# Altium PCB 09-蜂鸣器模块-电路板图.PcbDoc
Units mm, origin at the board's own origin, x right, y up, seen from the top; angles counter-clockwise.
Board outline 36.3 x 36.3 mm, 2 copper layers (Top Layer, Bottom Layer); 4 components, 5 nets, 22 pads, 0 vias.
Unrouted connection lines stored in the file: 1.
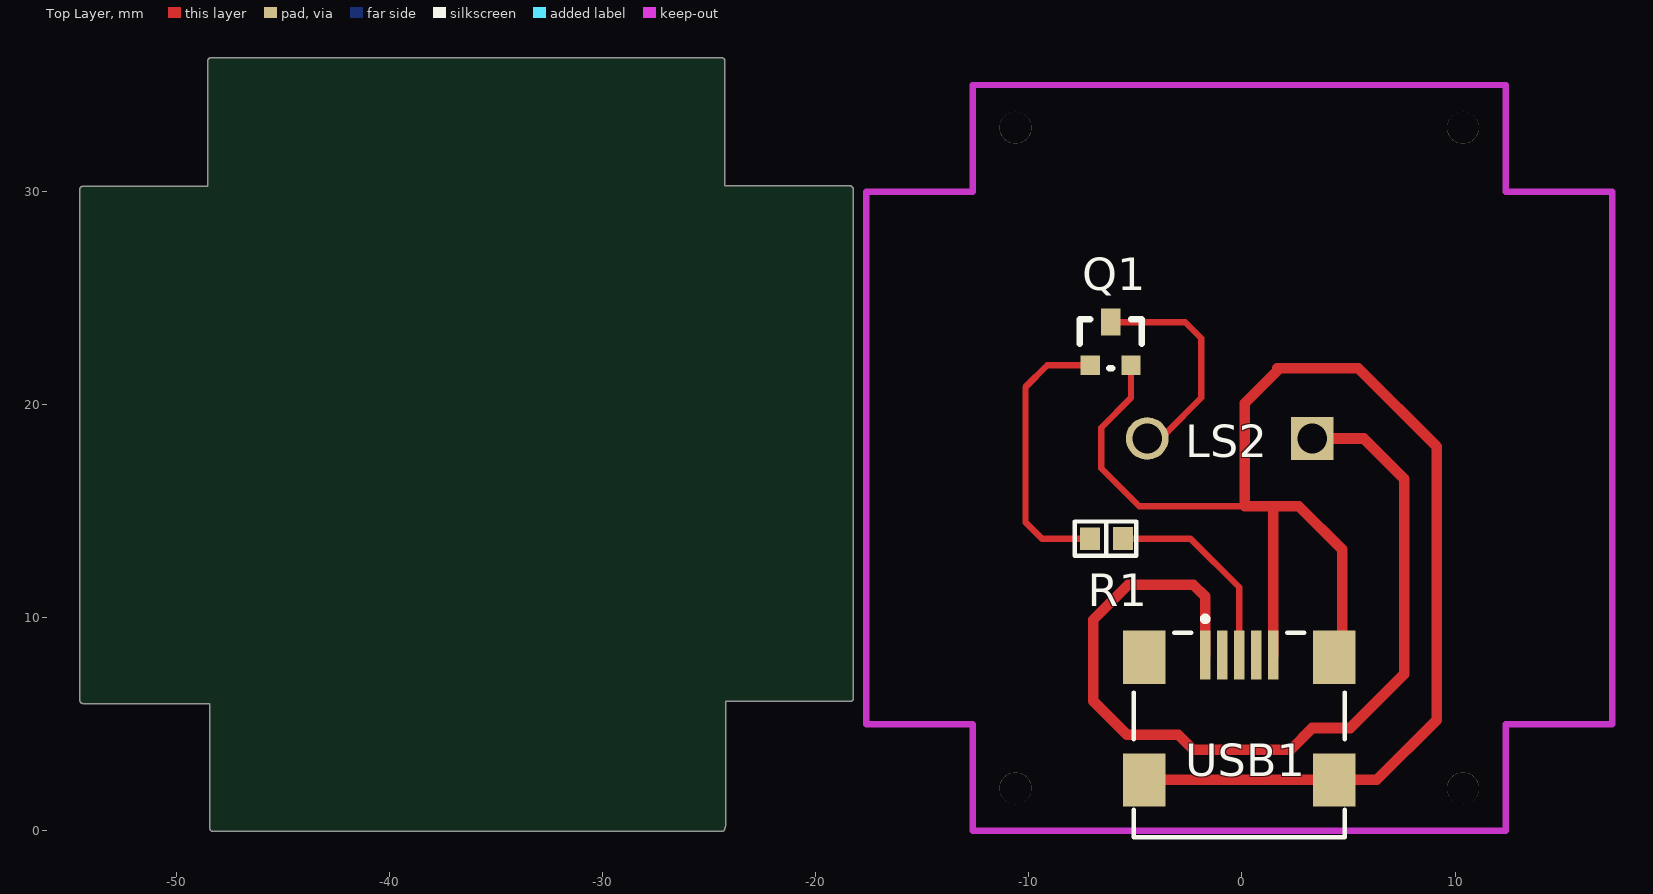
[diagram p0: Top Layer view]
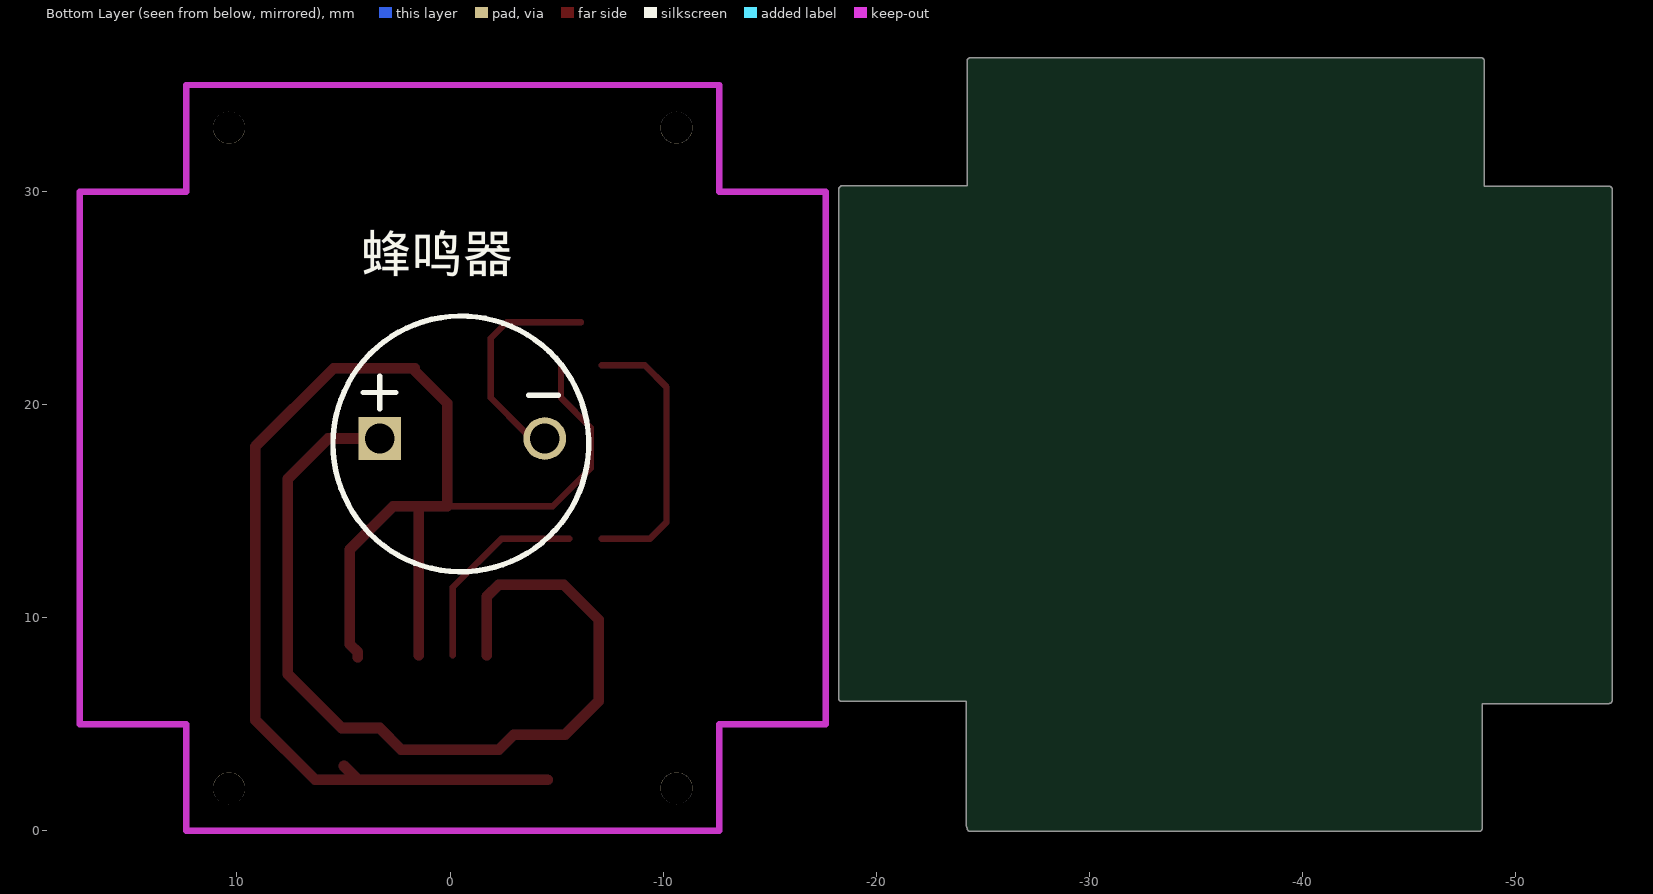
[diagram p1: Bottom Layer view, seen from below]

## Layer stack, top to bottom
Top Layer: signal copper 0.0356
Dielectric: dielectric 0.32, FR-4, Dk 4.8
Bottom Layer: signal copper 0.0356

## Board outline
-48.438,0.127 -48.438,5.977 -54.384,5.977 cw(c-54.384,6.127) -54.534,6.127 -54.534,30.099 cw(c-54.384,30.099) -54.384,30.249 -48.534,30.249 -48.534,36.096 cw(c-48.384,36.096) -48.534,36.111 cw(c-48.384,36.127) -48.384,36.277 -24.415,36.277 cw(c-24.415,36.127) -24.413,36.277 cw(c-24.412,36.127) -24.262,36.127 -24.262,30.277 -18.415,30.277 cw(c-18.415,30.127) -18.294,30.217 cw(c-18.384,30.096) -18.234,30.096 -18.234,6.223 cw(c-18.384,6.223) -18.384,6.073 -24.234,6.073 -24.234,0.226 cw(c-24.384,0.226) -24.262,0.138 cw(c-24.412,0.127) -24.262,0.127 cw(c-24.412,0.127) -24.412,-0.023 -48.288,-0.023 cw(c-48.288,0.127)

## Design rules (kind name [scope] priority, off if disabled: settings)
Clearance [All] p1: gap=0.254
PolygonConnect [All] p1: connectstyle=Relief reliefconductorwidth=0.254 reliefentries=4 polygonreliefangle="90 Angle"
RoutingVias [All] p1: holewidth=0.711 width=1.27 viastyle="Through Hole" minholewidth=0.711 minwidth=1.27 maxholewidth=0.711 maxwidth=1.27
SilkscreenOverComponentPads [All] p1: minsilkscreentomaskgap=0.254
SolderMaskExpansion [All] p1: expansion=0.102
TestPointUsage FabricationTestPointUsage [All] p1: valid=0 allowmultiple=FALSE
Testpoint FabricationTestpoint [All] p1: side=3 testpointundercomponent=TRUE minsize=1.016 maxsize=2.54 preferedsize=1.524 minholesize=0 maxholesize=1.016 preferedholesize=0.813 testpointgrid=0.025 style=297 order=0123456789
Width [All] p1: maxlimit=0.5 minlimit=0.3 preferedwidth=0.3
23 further rules are at their usual default settings.

## Components (designator, comment, footprint, x,y, rotation, side; value= is the part's Value field where it differs from the comment)
LS2 "Buzzer" ABSM-1574 4.826,18.161 r180 top (schematic designator LS1)
Q1 "2N3904" sot-23 -7.112,21.844 r0 top
R1 "Res2" r0603 -5.588,13.716 r180 top
USB1 "USB" USB/SM0.8-6H5 0,4.715 r270 top (schematic designator USB_1)

## Footprints (in the part's own frame and the unit in brackets; to place one, negate y for a bottom-side part, rotate by r counter-clockwise, add the part's x,y. Pads: shape width x height; smd on the part's side, far side on the other; paste and mask are expansions set on the pad)
ABSM-1574 [mm] "Magnetic Transducer Buzzer"
  rect 2x2 hole 1.4: 1(1.524,-0.254)
  round 2 hole 1.4: 2(9.271,-0.254)
r0603 [mil]
  rect 37x42 smd: 1(0,0) 2(60.5,0.5)
  silkscreen extent -25,-32 89,31
sot-23 [mil]
  rect 36x36 smd: 1(0,0) 2(75,0)
  rect 36x50 smd: 3(38,80)
  silkscreen extent -20,-5 95,85
USB/SM0.8-6H5 [mm]
  rect 2.3x0.5 smd: 1(-3.532,-1.727) 2(-3.532,-0.927) 3(-3.532,-0.127) 4(-3.532,0.673) 5(-3.532,1.473)
  rect 2.5x2 smd: 6(-3.432,4.323) 7(2.322,4.323) 8(-3.432,-4.577) 9(2.322,-4.577)
  round 0.6 hole 1.27 unplated: MH1(-0.932,2.073) MH2(-0.932,-2.327)
  silkscreen extent -5.36,-5.08 5.02,4.82

## Part data
LS2: "Magnetic Transducer Buzzer"
Q1: "NPN General Purpose Amplifier"
R1: "Resistor"
USB1: library part USB5

## Free pads (board coordinates)
  round 1.5 hole 1.5: 0(-10.627,2) 0(-10.627,33) 0(10.373,2) 0(10.373,33)

## Nets (pads, with @x,y where several pads share a name; then routed paths per layer and width w, separated by ;. In a path a pad name is that pad's centre, name@x,y a point inside that pad or via, vN(x,y) a via of type N, cw(c..) or ccw(c..) an arc to the next point about the centre after c; other vN are vias at no path point)
GND: Q1.2 USB1.5 USB1.6 USB1.7 USB1.8 USB1.9 | length 74.4
  Top Layer w0.3: Q1.2 -5.207,20.32 -6.604,18.923 -6.604,17.018 -4.826,15.24 0.127,15.24
  Top Layer w0.5: USB1.9 USB1.7 6.33,2.393 9.144,5.207 9.144,18.034 5.461,21.717 1.651,21.717 1.651,21.59 0.127,20.066 0.127,15.24 1.524,15.24 ; USB1.5 1.473,15.189 1.524,15.24 ; USB1.6 4.323,8.382 4.699,8.758 4.699,13.208 2.667,15.24 1.524,15.24
NetLS1_2: LS2.2 Q1.3 | length 10.7
  Top Layer w0.3: Q1.3 -2.667,23.876 -1.905,23.114 -1.905,20.32 -3.556,18.669 -4.191,18.669 LS2.2
NetP1_2: R1.1 USB1.3 | length 9.6
  Top Layer w0.3: R1.1 -2.413,13.716 -0.127,11.43 USB1.3
NetQ1_1: Q1.1 R1.2 | length 13.2
  Top Layer w0.3: R1.2 -9.385,13.703 -10.16,14.478 -10.16,20.828 -9.144,21.844 Q1.1
VCC: LS2.1 USB1.1 | length 44
  Top Layer w0.5: USB1.1 -1.727,10.998 -2.286,11.557 -5.334,11.557 -6.985,9.906 -6.985,6.096 -5.397,4.508 -2.984,4.508 -2.286,3.81 2.286,3.81 3.302,4.826 5.08,4.826 7.62,7.366 7.62,16.51 5.715,18.415 LS2.1
pads on no net: USB1.2 USB1.4 USB1.MH1 USB1.MH2
copper on no net: | length 0.9
  Top Layer w0.5: 4.323,2.393 4.978,3.048

## Keep-outs
Keep-Out Layer:
  lines w0.3: -12.601,0 11.275,0 ; -17.627,5 -17.627,30 -12.627,30 -12.627,35 12.373,35 12.373,30 17.373,30 17.373,5 12.373,5 12.373,0 -12.627,0 -12.627,5 -17.627,5

## Silkscreen, mask and mechanical layers (free items; w line width, h text height)
Bottom Overlay:
  circle w0.254: c-0.508,18.161 r6
  lines w0.254: -5.08,20.447 -3.683,20.447 ; 2.54,20.574 4.064,20.574 ; 3.302,19.812 3.302,21.336
  text "蜂鸣器" at 4.191,25.654 h3